# Altium PCB Main.PcbDoc (part 1 of 2)
Units mil, origin at the board's own origin, x right, y up, seen from the top; angles counter-clockwise.
Board outline 4133.86 x 4133.86 mil, 2 copper layers (Top Layer, Bottom Layer), stack 55.118 mil thick; 98 components, 143 nets, 449 pads, 452 vias.
Unrouted connection lines stored in the file: 10.
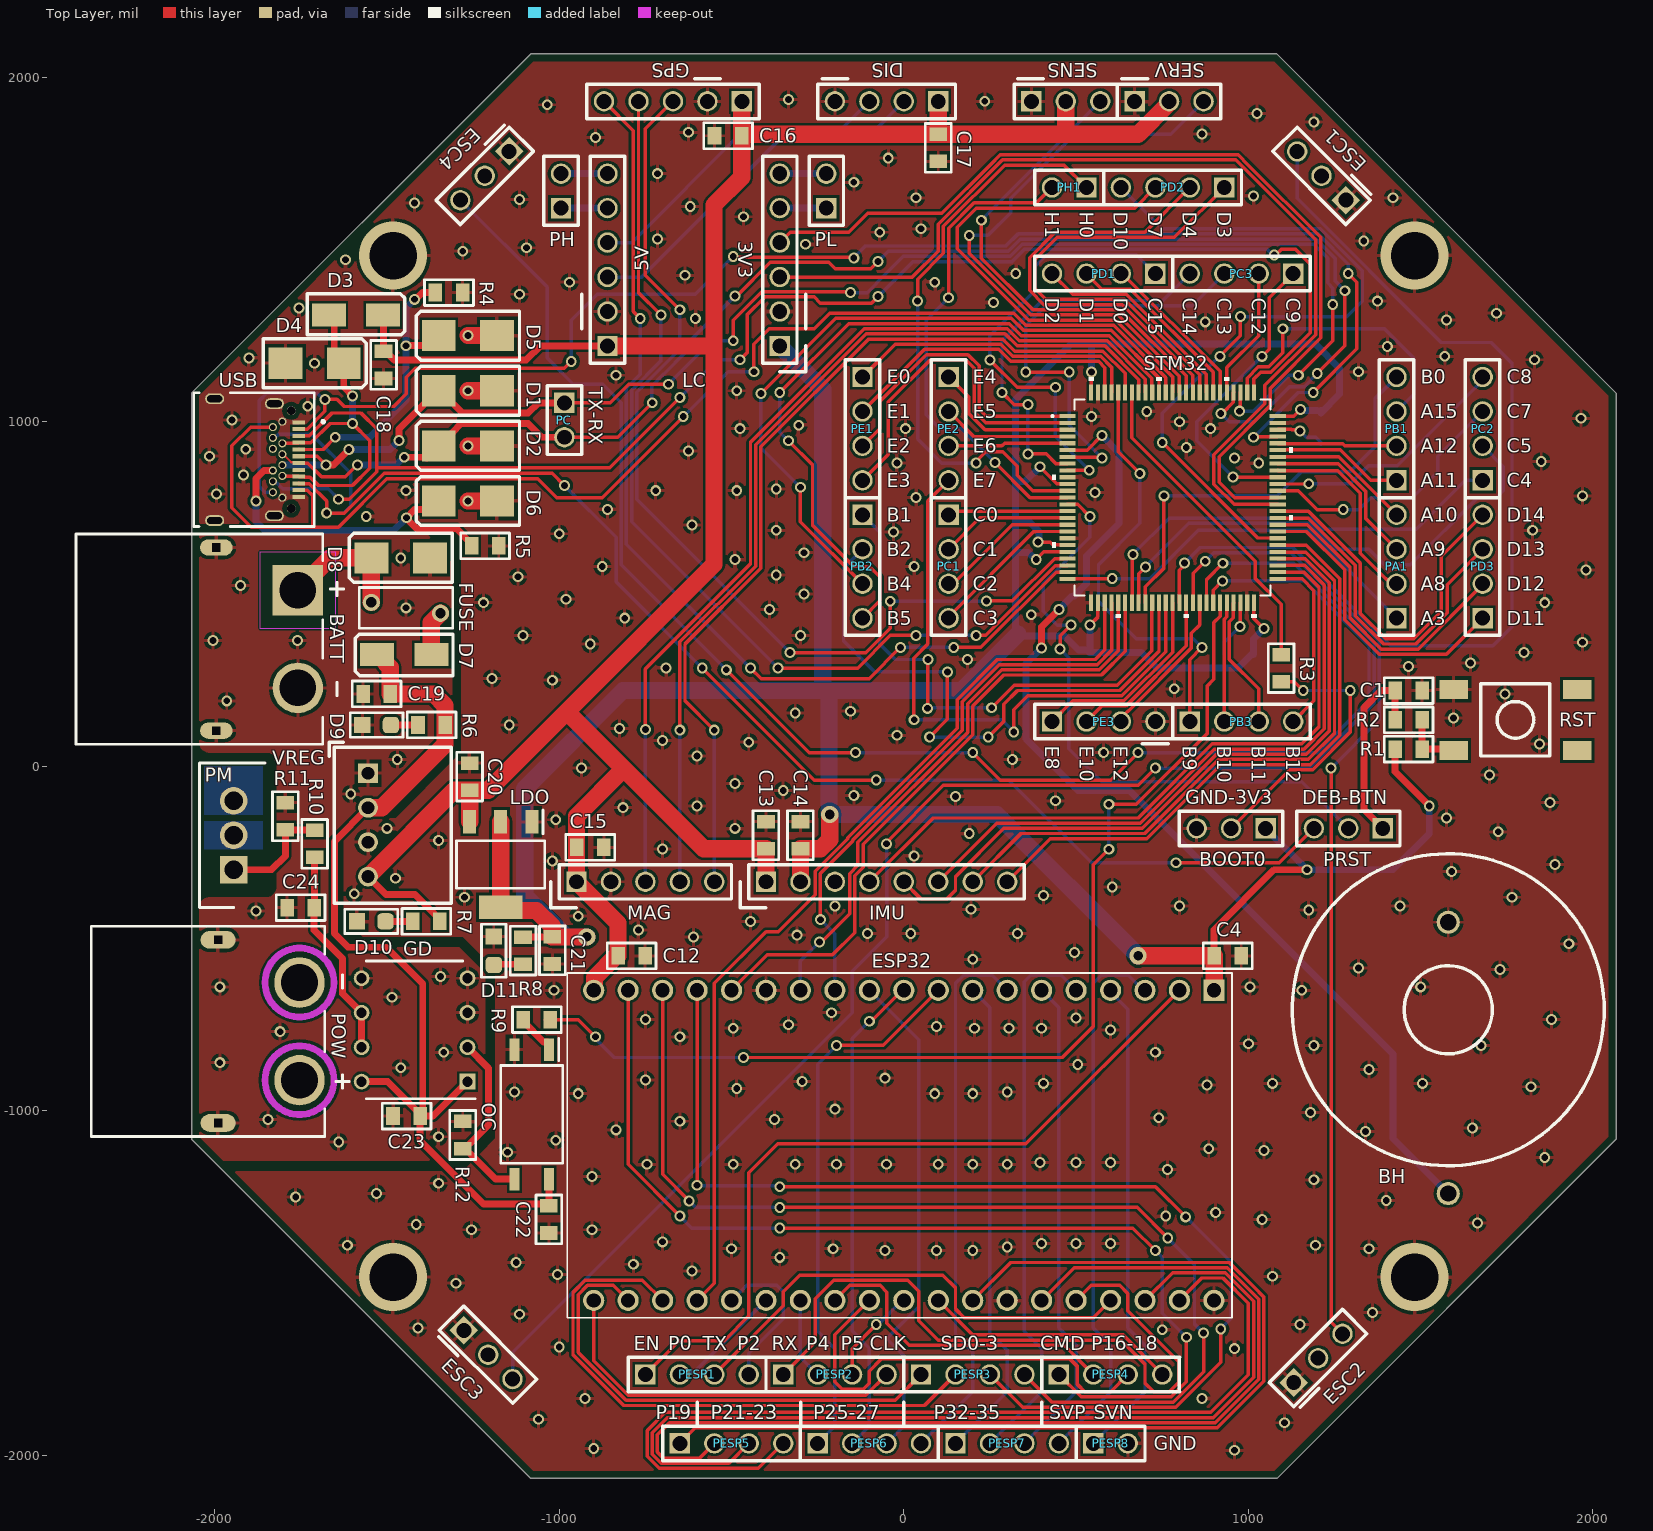
[diagram p0: Top Layer view]
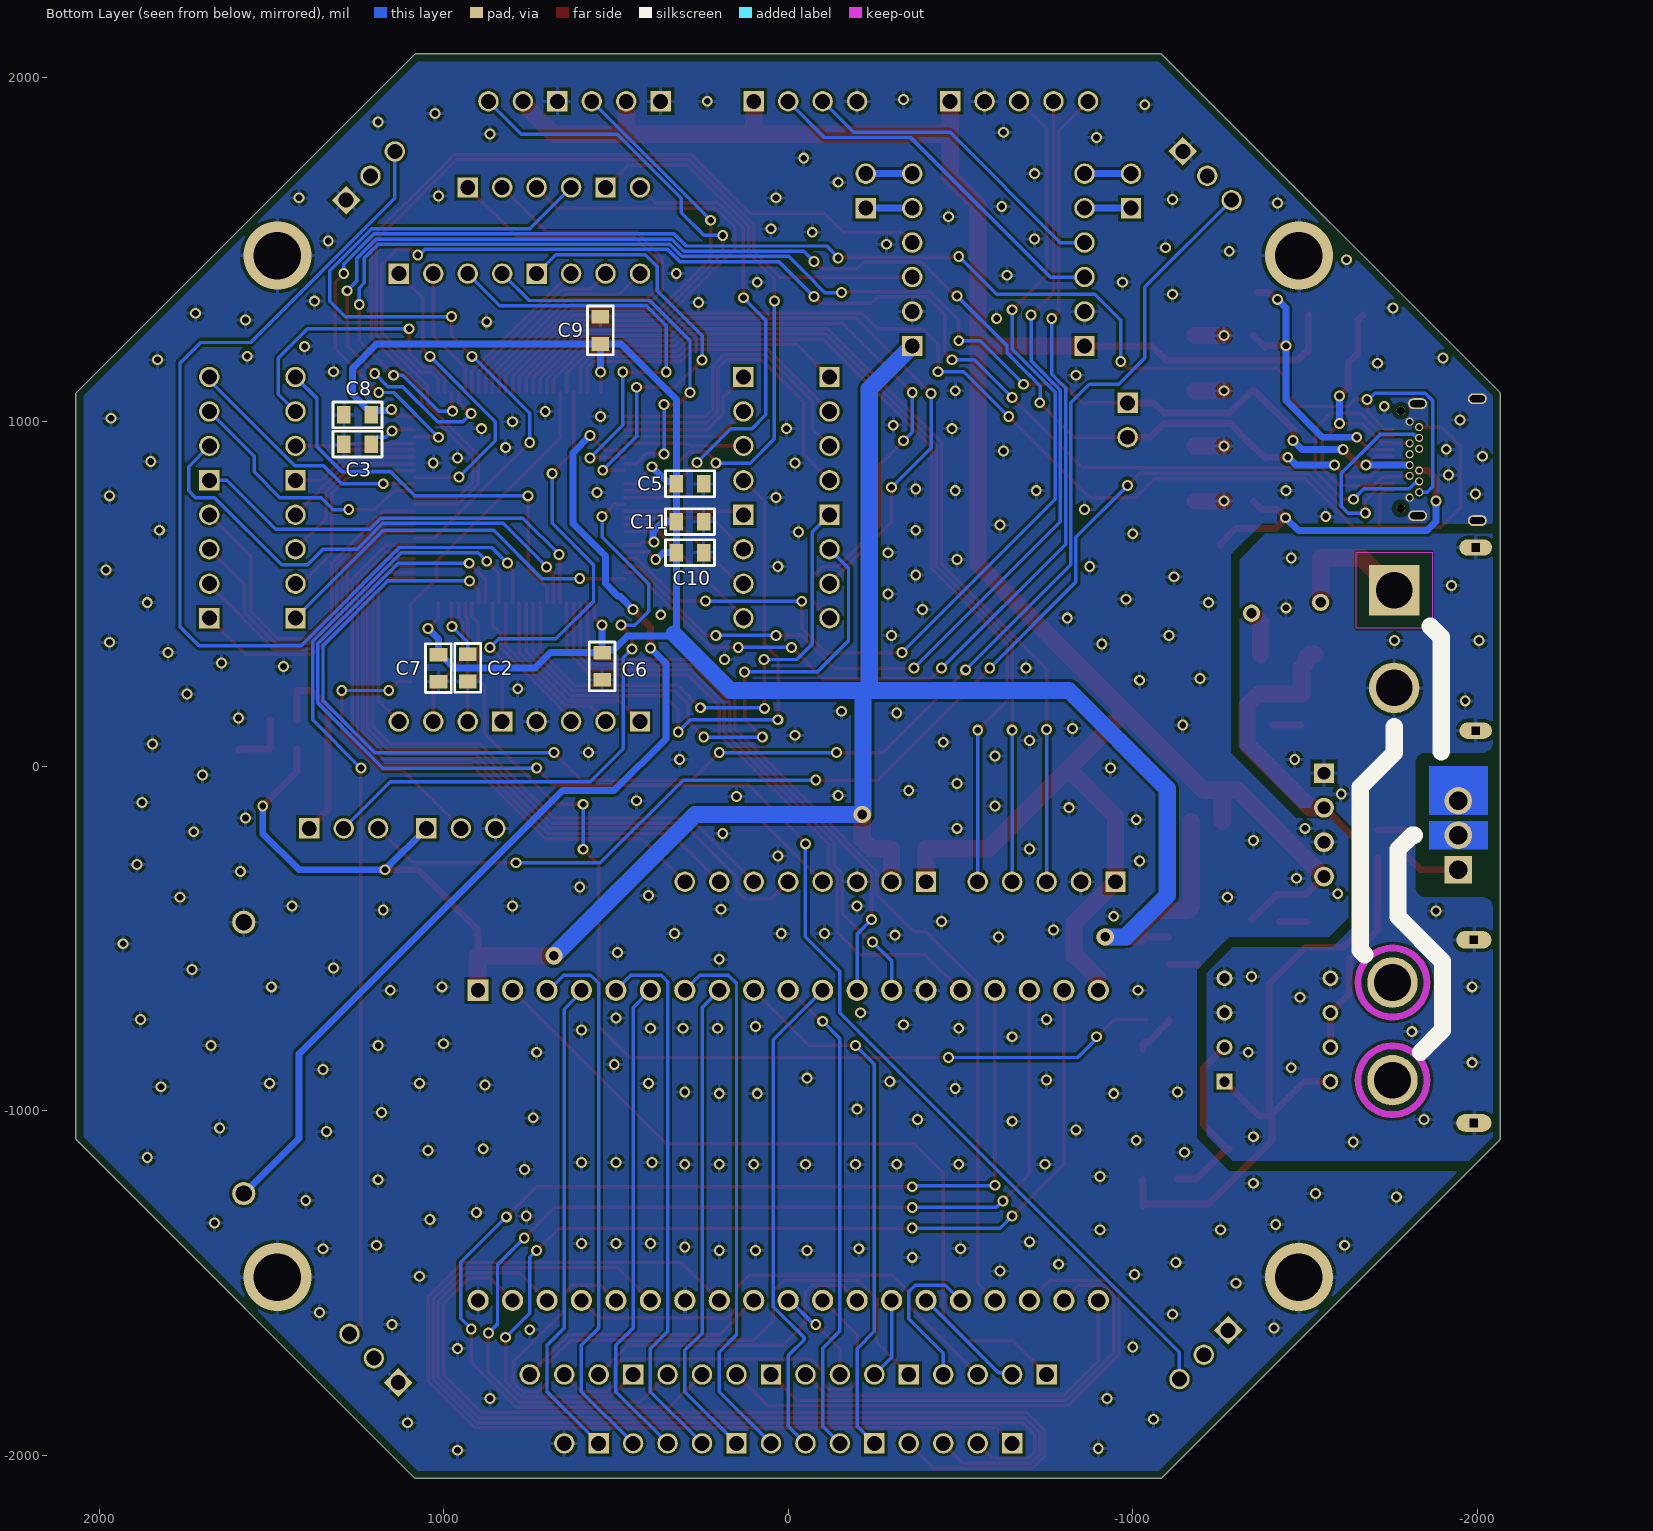
[diagram p1: Bottom Layer view, seen from below]

## Layer stack, top to bottom
Top Solder: solder mask 3.937, Solder Resist, Dk 3.5
Top Layer: signal copper 11.811
Dielectric 1: dielectric 31.4961, FR-4, Dk 4.8
Bottom Layer: signal copper 11.811
Bottom Solder: solder mask 3.937, Solder Resist, Dk 3.5

## Board outline
-1082.68,-2066.54 -2066.93,-1082.28 -2066.93,1083.07 -1082.68,2067.32 1082.68,2067.32 2066.93,1083.07 2066.93,-1082.28 1082.68,-2066.54

## Design rules (kind name [scope] priority, off if disabled: settings)
Clearance Clearance_Diff_STM32 [HasFootprint('LQFP144-20x20mm')] p1: gap=7.87 ignorepadtopadclearanceinfootprint=FALSE except(5: Arc-Arc Arc-Track Track-Track SMDPad-SMDPad SMDPad-THPad THPad-THPad Fill-Fill Fill-Poly Fill-Region Poly-Poly Poly-Region Region-Region; 5.91: Arc-Text Track-Text SMDPad-Text THPad-Text Via-Text Fill-Text Poly-Text Region-Text Text-Text Text-Hole; 7.48: Arc-SMDPad Track-SMDPad; 10: Arc-Via Track-Via SMDPad-Via THPad-Via Via-Fill Via-Poly Via-Region; 12.99: Arc-Hole Track-Hole SMDPad-Hole THPad-Hole Fill-Hole Poly-Hole Region-Hole; 19.68: Via-Via Via-Hole)
Clearance Clearance_Diff_USBC [HasFootprint('USB4056-03-A_REVA2')] p2: gap=7.87 ignorepadtopadclearanceinfootprint=FALSE except(5: Arc-Arc Arc-Track Track-Track SMDPad-SMDPad SMDPad-THPad THPad-THPad Fill-Fill Fill-Poly Fill-Region Poly-Poly Poly-Region Region-Region; 5.91: Arc-Text Track-Text SMDPad-Text THPad-Text Via-Text Fill-Text Poly-Text Region-Text Text-Text Text-Hole; 7.48: Arc-SMDPad Track-SMDPad; 10: Arc-Via Track-Via SMDPad-Via THPad-Via Via-Fill Via-Poly Via-Region; 11.8: THPad-Hole; 12.99: Arc-Hole Track-Hole SMDPad-Hole Fill-Hole Poly-Hole Region-Hole; 19.68: Via-Via Via-Hole)
Clearance Clearance_Diff [All] p3: gap=7.87 ignorepadtopadclearanceinfootprint=FALSE except(5: Arc-Arc Arc-Track Track-Track SMDPad-SMDPad SMDPad-THPad THPad-THPad Fill-Fill Fill-Poly Fill-Region Poly-Poly Poly-Region Region-Region; 5.91: Arc-Text Track-Text SMDPad-Text THPad-Text Via-Text Fill-Text Poly-Text Region-Text Text-Text Text-Hole; 10: Arc-Via Track-Via SMDPad-Via THPad-Via Via-Fill Via-Poly Via-Region; 12.99: Arc-Hole Track-Hole SMDPad-Hole THPad-Hole Fill-Hole Poly-Hole Region-Hole; 19.68: Via-Via Via-Hole)
Clearance Clearance_Same_STM32 [HasFootprint('LQFP144-20x20mm')] p4: gap=7.87 ignorepadtopadclearanceinfootprint=FALSE except(5: Arc-Arc Arc-Track Track-Track SMDPad-SMDPad SMDPad-THPad THPad-THPad Fill-Fill Fill-Poly Fill-Region Poly-Poly Poly-Region Region-Region; 5.91: Arc-Text Track-Text SMDPad-Text THPad-Text Via-Text Fill-Text Poly-Text Region-Text Text-Text Text-Hole; 7.48: Arc-SMDPad Track-SMDPad; 10: Arc-Via Track-Via SMDPad-Via THPad-Via Via-Via Via-Fill Via-Poly Via-Region; 12.99: Arc-Hole Track-Hole SMDPad-Hole THPad-Hole Fill-Hole Poly-Hole Region-Hole; 19.68: Via-Hole)
Clearance Clearance_Same_USBC [HasFootprint('USB4056-03-A_REVA2')] p5: gap=7.87 ignorepadtopadclearanceinfootprint=FALSE except(5: Arc-Arc Arc-Track Track-Track SMDPad-SMDPad SMDPad-THPad THPad-THPad Fill-Fill Fill-Poly Fill-Region Poly-Poly Poly-Region Region-Region; 5.91: Arc-Text Track-Text SMDPad-Text THPad-Text Via-Text Fill-Text Poly-Text Region-Text Text-Text Text-Hole; 7.48: Arc-SMDPad Track-SMDPad; 10: Arc-Via Track-Via SMDPad-Via THPad-Via Via-Via Via-Fill Via-Poly Via-Region; 12.99: Arc-Hole Track-Hole SMDPad-Hole THPad-Hole Fill-Hole Poly-Hole Region-Hole; 19.68: Via-Hole)
Clearance Clearance_Same [All] p6: gap=7.87 ignorepadtopadclearanceinfootprint=FALSE except(5: Arc-Arc Arc-Track Track-Track SMDPad-SMDPad SMDPad-THPad THPad-THPad Fill-Fill Fill-Poly Fill-Region Poly-Poly Poly-Region Region-Region; 5.91: Arc-Text Track-Text SMDPad-Text THPad-Text Via-Text Fill-Text Poly-Text Region-Text Text-Text Text-Hole; 10: Arc-Via Track-Via SMDPad-Via THPad-Via Via-Via Via-Fill Via-Poly Via-Region; 12.99: Arc-Hole Track-Hole SMDPad-Hole THPad-Hole Fill-Hole Poly-Hole Region-Hole; 19.68: Via-Hole)
ComponentClearance ComponentClearance_Pin_array [(HasFootprint('FP_CONN2_TUSKE_254MM') OR HasFootprint('FP_CONN3_TUSKE_254MM') OR HasFootprint('FP_CONN4_TUSKE_254MM') OR HasFootprint('FP_CONN5_TUSKE_254MM')) vs (HasFootprint('FP_CONN2_TUSKE_254MM') OR HasFootprint('FP_CONN3_TUSKE_254MM') OR HasFootprint('FP_CONN4_TUSKE_254MM') OR HasFootprint('FP_CONN5_TUSKE_254MM'))] p1: gap=0 collisioncheckmode=3 verticalgap=0 showdistances=FALSE
ComponentClearance [All] p2: gap=10 collisioncheckmode=3 verticalgap=10 showdistances=FALSE
HoleSize [All] p1: absolutevalues=TRUE maxlimit=250 minlimit=7.87 maxpercent=80.000 minpercent=20.000
HoleToHoleClearance HoleToHoleClearance_USBC [HasFootprint('USB4056-03-A_REVA2')] p1: gap=15.75 allowstackedmicrovias=TRUE
HoleToHoleClearance [All] p2: gap=19.68 allowstackedmicrovias=TRUE
MinimumSolderMaskSliver MinimumSolderMaskSliver_STM32 [HasFootprint('LQFP100-14x14mm')] p1: minsoldermaskwidth=7.68
MinimumSolderMaskSliver MinimumSolderMaskSliver_USBC [HasFootprint('USB4056-03-A_REVA2')] p2: minsoldermaskwidth=0
MinimumSolderMaskSliver [All] p3: minsoldermaskwidth=7.87
PolygonConnect PolygonConnect_STM32 [HasFootprint('LQFP144-20x20mm')] p1: connectstyle=Direct reliefconductorwidth=10 reliefentries=4 polygonreliefangle="90 Angle" airgapwidth=10
PolygonConnect PolygonConnect_1 [HasFootprint('USB4056-03-A_REVA2')] p2: connectstyle=Direct reliefconductorwidth=10 reliefentries=4 polygonreliefangle="90 Angle" airgapwidth=10
PolygonConnect [All] p3: connectstyle=Relief reliefconductorwidth=10 reliefentries=4 polygonreliefangle="90 Angle" airgapwidth=10
RoutingVias [All] p1: holewidth=19.68 width=31.5 viastyle="Through Hole" minholewidth=5.91 minwidth=15.75 maxholewidth=248.03 maxwidth=393.7
SilkToSilkClearance [All] p1: silktosilkclearance=5.91
SilkToSolderMaskClearance [IsPad] p1: minsilkscreentomaskgap=5.91 clearancetoexposedcopper=TRUE
SolderMaskExpansion [All] p1: expansion=4 istentingtop=FALSE
Width [All] p1: maxlimit=100 minlimit=5 preferedwidth=20 minimp=50.000000 maximp=50.000000 favimp=50.000000
24 further rules are at their usual default settings.

## Classes and differential pairs
component class PowerAndSafety: BATT C19 C20 C21 C22 C23 C24 D7 D8 D9 D10 D11 FUSE GD LDO OC PM POW R6 R7 R8 R9 R11 R12 S VREG
component class STM_ESP: BH C1 C2 C3 C4 C5 C6 C7 C8 C9 C10 C11 C12 ESP32 PRST R1 R2 RST STm32 STM32
component class Sensors: C13 C14 C15 C16 C17 DIS GPS IMU LC MAG PH PL
component class Connectors: BOOT0 C18 D1 D2 D3 D4 D5 D6 ESC1 ESC2 ESC3 ESC4 PA1 PB1 PB2 PB3 PC PC1 PC2 PC3 PD1 PD2 PD3 PE1 PE2 PE3 PESP1 PESP2 PESP3 PESP4 PESP5 PESP6 PESP7 PESP8 PH1 R3 R4 R5 SENS SERV USB

## Components (designator, comment, footprint, x,y, rotation, side; value= is the part's Value field where it differs from the comment)
BATT "XT60PW-M" AMASS_XT60PW-M -1995,369.25 r90 top locked
BH "Battery Holder" ONLAB_ELEMTARTO 1580,-706.54 r180 top locked
BOOT0 "Connector" FP_CONN3_TUSKE_254MM 1050,-180 r90 top
C1 "2.2uF" FP_0805_CAP_085 1465,220 r180 top
C2 "2.2uF" FP_0805_CAP_085 930,285.63 r90 bottom
C3 "2.2uF" FP_0805_CAP_085 1250,935 r180 bottom
C4 "100nF" FP_0805_CAP_085 940,-550 r180 top
C5 "100nF" FP_0805_CAP_085 285,820 r180 bottom
C6 "100nF" FP_0805_CAP_085 540,290 r270 bottom
C7 "100nF" FP_0805_CAP_085 1015,285 r270 bottom
C8 "100nF" FP_0805_CAP_085 1250,1020 r0 bottom
C9 "100nF" FP_0805_CAP_085 545,1265 r90 bottom
C10 "100nF" FP_0805_CAP_085 285,620 r180 bottom
C11 "100nF" FP_0805_CAP_085 285,710 r180 bottom
C12 "100nF" FP_0805_CAP_085 -790,-550 r180 top
C13 "100nF" FP_0805_CAP_085 -400,-200 r270 top
C14 "100nF" FP_0805_CAP_085 -300,-200 r270 top
C15 "100nF" FP_0805_CAP_085 -910,-235 r180 top
C16 "100nF" FP_0805_CAP_085 -510,1830 r180 top
C17 "100nF" FP_0805_CAP_085 100,1795 r90 top
C18 "100nF" FP_0805_CAP_085 -1510,1165 r90 top
C19 "100nF" FP_0805_CAP_085 -1530,210 r0 top
C20 "1uF" FP_0805_CAP_085 -1260,-30 r270 top
C21 "1uF" FP_0805_CAP_085 -1020,-534.37 r90 top
C22 "100nF" FP_0805_CAP_085 -1030,-1315 r270 top
C23 "100nF" FP_0805_CAP_085 -1443.11,-1015 r180 top
C24 "1nF" FP_0805_CAP_085 -1750.63,-410 r0 top
D1 "TVS" FP_SMB -1265,1090 r180 top
D2 "TVS" FP_SMB -1265,930 r180 top
D3 "SCHOTTKY" FP_SMA -1590,1310 r0 top
D4 "TVS" FP_SMB -1710,1170 r0 top
D5 "TVS" FP_SMB -1265,1250 r180 top
D6 "TVS" FP_SMB -1265,770 r180 top
D7 "SCHOTTKY" FP_SMA -1450,325 r180 top
D8 "TVS" FP_SMB -1460,605 r180 top
D9 "BLUE LED" LED_SMD_0805_BLUE -1530,120 r180 top
D10 "GREEN LED" LED_SMD_0805_GREEN -1545.63,-450 r180 top
D11 "RED LED" LED_SMD_0805_RED -1190,-535 r90 top
DIS "Távolságérzékelő" FP_CONN4_TUSKE_254MM 100,1930 r90 top locked
ESC1 "Connector" FP_CONN3_TUSKE_254MM 1283.07,1643.07 r45 top locked
ESC2 "Connector" FP_CONN3_TUSKE_254MM 1131.65,-1788.35 r315 top locked
ESC3 "Connector" FP_CONN3_TUSKE_254MM -1276.93,-1636.93 r225 top locked
ESC4 "Connector" FP_CONN3_TUSKE_254MM -1145.51,1784.49 r135 top locked
ESP32 "NodeMCU ESP-32S" ESP32_NODEMCU-32S 0,-1100 r270 top locked
FUSE "Fuse" "ECE BU110 PolyFuse" -1445,460 r0 top
GD "TC4431VPA" DIP781W56P254L950H533Q8N -1420,-765 r180 top locked
GPS "GPS" FP_CONN5_TUSKE_254MM -470,1930 r90 top locked
IMU "IMU + Barométer" GY-91 -400,-335 r0 top locked
LC "Level converter (4 ch)" "Level converter (4 ch)" -360,1720 r180 top locked
LDO "TLV1117LV33DCYR" SOT230P700X180-4N -1170,-285 r270 top locked
MAG "Iránytű, magnetométer" GY-271 -950,-335 r0 top locked
OC "Optocoupler" SOP254P1016X400-4N -1080,-1010 r270 top
PA1 "Connector" FP_CONN4_TUSKE_254MM 1430,430 r0 top locked
PB1 "Connector" FP_CONN4_TUSKE_254MM 1430,830 r0 top locked
PB2 "Connector" FP_CONN4_TUSKE_254MM -120,730 r180 top locked
PB3 "Connector" FP_CONN4_TUSKE_254MM 830,130 r270 top locked
PC "Connector" FP_CONN2_TUSKE_254MM -985,1055 r180 top
PC1 "Connector" FP_CONN4_TUSKE_254MM 130,730 r180 top locked
PC2 "Connector" FP_CONN4_TUSKE_254MM 1680,830 r0 top locked
PC3 "Connector" FP_CONN4_TUSKE_254MM 1130,1430 r90 top locked
PD1 "Connector" FP_CONN4_TUSKE_254MM 730,1430 r90 top locked
PD2 "Connector" FP_CONN4_TUSKE_254MM 930,1680 r90 top locked
PD3 "Connector" FP_CONN4_TUSKE_254MM 1680,430 r0 top locked
PE1 "Connector" FP_CONN4_TUSKE_254MM -120,1130 r180 top locked
PE2 "Connector" FP_CONN4_TUSKE_254MM 130,1130 r180 top locked
PE3 "Connector" FP_CONN4_TUSKE_254MM 430,130 r270 top locked
PESP1 "Connector" FP_CONN4_TUSKE_254MM -750,-1765 r270 top locked
PESP2 "Connector" FP_CONN4_TUSKE_254MM -350,-1765 r270 top locked
PESP3 "Connector" FP_CONN4_TUSKE_254MM 50,-1765 r270 top locked
PESP4 "Connector" FP_CONN4_TUSKE_254MM 450,-1765 r270 top locked
PESP5 "Connector" FP_CONN4_TUSKE_254MM -650,-1965 r270 top locked
PESP6 "Connector" FP_CONN4_TUSKE_254MM -250,-1965 r270 top locked
PESP7 "Connector" FP_CONN4_TUSKE_254MM 150,-1965 r270 top locked
PESP8 "Connector" FP_CONN2_TUSKE_254MM 550,-1965 r270 top locked
PH "Connector" FP_CONN2_TUSKE_254MM -995,1620 r0 top
PH1 "Connector" FP_CONN2_TUSKE_254MM 530,1680 r90 top locked
PL "Connector" FP_CONN2_TUSKE_254MM -225,1620 r0 top
PM "IXTP120P065T" "TO254P483X1028X2284-3P - extended" -1945,-300 r90 top locked
POW "XT60PW-F" AMASS_XT60PW-F -1753.78,-769.25 r270 top locked
PRST "Connector" FP_CONN3_TUSKE_254MM 1390,-180 r90 top
R1 "10K" FP_0805_RES 1465,50 r180 top
R2 "4K70" FP_0805_RES 1465,135 r0 top
R3 "10K" FP_0805_RES 1095,285 r90 top
R4 "5.1K" FP_0805_RES -1320,1375 r180 top
R5 "5.1K" FP_0805_RES -1215,640 r180 top
R6 "1K" FP_0805_RES -1370.63,120 r0 top
R7 "330R" FP_0805_RES -1385.63,-450 r0 top
R8 "150R" FP_0805_RES -1105,-535 r90 top
R9 "200R" FP_0805_RES -1065,-735 r0 top
R10 "130R" FP_0805_RES -1710,-225 r90 top
R11 "10K" FP_0805_RES -1795,-145 r270 top
R12 "4K70" FP_0805_RES -1280,-1070 r270 top
RST "Button" FP_BTN_SMD 1775,135 r90 top
SENS "Connector" FP_CONN3_TUSKE_254MM 370,1930 r270 top locked
SERV "Connector" FP_CONN3_TUSKE_254MM 670,1930 r270 top locked
STM32 "STM32F722VET6" LQFP100-14x14mm 780,780 r0 top locked
USB "USB4056-03-A" USB4056-03-A_REVA2 -2000,890 r270 top locked
VREG "TMU_3-1211" TMU31211 -1555,-20 r270 top locked

## Footprints (in the part's own frame and the unit in brackets; to place one, negate y for a bottom-side part, rotate by r counter-clockwise, add the part's x,y. Pads: shape width x height; smd on the part's side, far side on the other; paste and mask are expansions set on the pad)
AMASS_XT60PW-F [mm]
  round 3.716 hole 2.7: N(-3.6,0) P(3.6,0)
  oval 1.3x2.6 hole 0.6 square: S1(-6.75,-6) S2(6.75,-6)
  silkscreen extent -7.75,-15.35 7.75,3.68, body extent -7.75,-15.35 7.75,1.85, height 8.4
AMASS_XT60PW-M [mm]
  round 3.716 hole 2.7: N(-3.6,-6)
  rect 3.716x3.716 / inner round 3.716 / far side rect 3.716x3.716 hole 2.7: P(3.6,-6)
  oval 1.2x2.4 hole 0.6 square: S1(6.75,0) S2(-6.75,0)
  silkscreen extent -7.75,-9.39 7.75,10.35, body extent -7.75,-7.85 7.75,10.35, height 8.4
DIP781W56P254L950H533Q8N [mm]
  rect 1.159x1.159 / inner round 1.159 / far side rect 1.159x1.159 hole 0.759: 1(-3.905,3.81)
  round 1.159 hole 0.759: 2(-3.905,1.27) 3(-3.905,-1.27) 4(-3.905,-3.81) 5(3.905,-3.81) 6(3.905,-1.27) 7(3.905,1.27) 8(3.905,3.81)
  silkscreen extent -4.48,-5.08 3.56,5.08, body extent -4.05,-4.75 4.05,4.75, height 5.33
"ECE BU110 PolyFuse" [mm]
  round 1.27 hole 0.762: 1(-2.55,0.4) 2(2.55,-0.4)
  silkscreen extent -3.45,-1.5 3.45,1.5, body extent -5.71,-1.52 5.71,1.52, height 18.86
ESP32_NODEMCU-32S [mm]
  rect 1.56x1.56 hole 1.04: 1(-11.43,22.86)
  round 1.56 hole 1.04: 2(-11.43,20.32) 3(-11.43,17.78) 4(-11.43,15.24) 5(-11.43,12.7) 6(-11.43,10.16) 7(-11.43,7.62) 8(-11.43,5.08) 9(-11.43,2.54) 10(-11.43,0) 11(-11.43,-2.54) 12(-11.43,-5.08) 13(-11.43,-7.62) 14(-11.43,-10.16) 15(-11.43,-12.7) 16(-11.43,-15.24) 17(-11.43,-17.78) 18(-11.43,-20.32) 19(-11.43,-22.86) 20(11.43,22.86) 21(11.43,20.32) 22(11.43,17.78) 23(11.43,15.24) 24(11.43,12.7) 25(11.43,10.16) 26(11.43,7.62) 27(11.43,5.08) 28(11.43,2.54) 29(11.43,0) 30(11.43,-2.54) 31(11.43,-5.08) 32(11.43,-7.62) 33(11.43,-10.16) 34(11.43,-12.7) 35(11.43,-15.24) 36(11.43,-17.78) 37(11.43,-20.32) 38(11.43,-22.86)
  silkscreen extent -12.7,-24.8 12.7,24.2, body extent -12.73,-24.83 12.67,24.22, height 14.81
FP_0805_CAP_085 [mm] "0805 kapacitás YAGEO 0.85mm magas"
  rect 1x1.3 smd: 1(-1,0) 2(1,0)
  silkscreen extent -1.8,-0.95 1.8,0.95, body extent -1,-0.64 1.03,0.64, height 0.85
FP_0805_RES [mm] "0805 ellenállás"
  rect 1x1.3 smd: 1(-1,0) 2(1,0)
  silkscreen extent -1.8,-0.95 1.8,0.95, body extent -1,-0.62 1,0.63, height 0.62
FP_BTN_SMD [mm] "SMD Push Button 6x6mm"
  rect 1.4x2.1 smd: 1(2.25,4.55) 2(2.25,-4.55) 3(-2.25,4.55) 4(-2.25,-4.55)
  silkscreen extent -2.67,-2.54 2.67,2.54, body extent -3,-5 3,5, height 5.1
FP_CONN2_TUSKE_254MM [mm] "2×1 tüskesor"
  rect 1.5x1.5 hole 1.1: 1(0,0)
  round 1.5 hole 1.1: 2(0,2.54)
  silkscreen extent -1.27,-1.27 1.27,3.81, body extent -1.27,-1.27 1.27,3.81, height 8.54
FP_CONN3_TUSKE_254MM [mm] "3×1 tüskesor"
  rect 1.5x1.5 hole 1.1: 1(0,0)
  round 1.5 hole 1.1: 2(0,2.54) 3(0,5.08)
  silkscreen extent -1.27,-1.27 1.27,6.35, body extent -1.27,-1.27 1.27,6.35, height 8.54
FP_CONN4_TUSKE_254MM [mm] "4×1 tüskesor"
  rect 1.5x1.5 hole 1.1: 1(0,0)
  round 1.5 hole 1.1: 2(0,2.54) 3(0,5.08) 4(0,7.62)
  silkscreen extent -1.27,-1.27 1.27,8.9, body extent -1.27,-1.27 1.27,8.89, height 8.54
FP_CONN5_TUSKE_254MM [mm]
  rect 1.5x1.5 hole 1.1: 1(0,0)
  round 1.5 hole 1.1: 2(0,2.54) 3(0,5.08) 4(0,7.62) 5(0,10.16)
  silkscreen extent -1.27,-1.27 1.27,11.43, body extent -1.27,-1.27 1.27,11.43, height 8.54
FP_SMA [mm] "SMA footprint"
  rect 2.5x1.7 smd: A(-2,0) K(2,0)
  silkscreen extent -3.6,-1.48 3.6,1.58, body extent -2.8,-1.47 2.8,1.48, height 2.7
FP_SMB [mm] "DO214-AA tok (SMB)"
  rect 2.5x2.3 smd: A(-2.15,0) K(2.15,0)
  silkscreen extent -3.8,-1.8 3.8,1.8, body extent -2.7,-1.8 2.7,1.8, height 2.32
GY-91 [mm]
  rect 1.5x1.5 hole 1.1: 1(0,0)
  round 1.5 hole 1.1: 2(2.54,0) 3(5.08,0) 4(7.62,0) 5(10.16,0) 6(12.7,0) 7(15.24,0) 8(17.78,0)
  silkscreen extent -1.91,-1.91 19.05,1.27, body extent -1.27,-1.27 19.05,12.7, height 13.59
GY-271 [mm]
  rect 1.5x1.5 hole 1.1: 1(0,0)
  round 1.5 hole 1.1: 2(2.54,0) 3(5.08,0) 4(7.62,0) 5(10.16,0)
  silkscreen extent -1.91,-1.91 11.43,1.27, body extent -1.65,-1.27 11.81,13.46, height 13.59
LED_SMD_0805_BLUE [mm] "0805 méretű kék LED"
  rrect50% 1.2x1.2 smd: A(-1.05,0)
  rect 1.2x1.2 smd: K(1.05,0)
  silkscreen extent -1.95,-0.9 1.95,0.9, body extent -1.01,-0.62 1.01,0.62, height 1.1
LED_SMD_0805_GREEN [mm] "0805 méretű zöld Foryard LED"
  rrect50% 1.2x1.2 smd: A(-1.05,0)
  rect 1.2x1.2 smd: K(1.05,0)
  silkscreen extent -1.95,-0.9 1.95,0.9, body extent -1.01,-0.63 1.01,0.62, height 1.1
LED_SMD_0805_RED [mm] "0805 méretű piros LED"
  rrect50% 1.2x1.2 smd: A(-1.05,0)
  rect 1.2x1.2 smd: K(1.05,0)
  silkscreen extent -1.95,-0.9 1.95,0.9, body extent -1.01,-0.62 1.01,0.62, height 1.1
"Level converter (4 ch)" [mm] "4 channel level converter 3.3 <-> 5 V"
  rect 1.5x1.5 hole 1.1: 1(0,12.7) 7(12.7,12.7)
  round 1.5 hole 1.1: 2(0,10.16) 3(0,7.62) 4(0,5.08) 5(0,2.54) 6(0,0) 8(12.7,10.16) 9(12.7,7.62) 10(12.7,5.08) 11(12.7,2.54) 12(12.7,0)
  silkscreen extent -1.91,-1.27 14.61,14.6, body extent -1.65,-1.65 14.35,14.35, height 5.59
LQFP100-14x14mm [mil]
  rect 47x12 smd paste+0 mask+0: 1(-305.12,236.22) 2(-305.12,216.54) 3(-305.12,196.85) 4(-305.12,177.17) 5(-305.12,157.48) 6(-305.12,137.8) 7(-305.12,118.11) 8(-305.12,98.43) 9(-305.12,78.74) 10(-305.12,59.06) 11(-305.12,39.37) 12(-305.12,19.69) 13(-305.12,0) 14(-305.12,-19.69) 15(-305.12,-39.37) 16(-305.12,-59.06) 17(-305.12,-78.74) 18(-305.12,-98.43) 19(-305.12,-118.11) 20(-305.12,-137.8) 21(-305.12,-157.48) 22(-305.12,-177.17) 23(-305.12,-196.85) 24(-305.12,-216.54) 25(-305.12,-236.22) 51(305.12,-236.22) 52(305.12,-216.54) 53(305.12,-196.85) 54(305.12,-177.17) 55(305.12,-157.48) 56(305.12,-137.8) 57(305.12,-118.11) 58(305.12,-98.43) 59(305.12,-78.74) 60(305.12,-59.06) 61(305.12,-39.37) 62(305.12,-19.69) 63(305.12,0) 64(305.12,19.68) 65(305.12,39.37) 66(305.12,59.06) 67(305.12,78.74) 68(305.12,98.43) 69(305.12,118.11) 70(305.12,137.8) 71(305.12,157.48) 72(305.12,177.17) 73(305.12,196.85) 74(305.12,216.54) 75(305.12,236.22)
  rect 12x47 smd paste+0 mask+0: 26(-236.22,-305.12) 27(-216.54,-305.12) 28(-196.85,-305.12) 29(-177.17,-305.12) 30(-157.48,-305.12) 31(-137.8,-305.12) 32(-118.11,-305.12) 33(-98.43,-305.12) 34(-78.74,-305.12) 35(-59.06,-305.12) 36(-39.37,-305.12) 37(-19.69,-305.12) 38(0,-305.12) 39(19.68,-305.12) 40(39.37,-305.12) 41(59.06,-305.12) 42(78.74,-305.12) 43(98.43,-305.12) 44(118.11,-305.12) 45(137.8,-305.12) 46(157.48,-305.12) 47(177.17,-305.12) 48(196.85,-305.12) 49(216.54,-305.12) 50(236.22,-305.12) 76(236.22,305.12) 77(216.54,305.12) 78(196.85,305.12) 79(177.17,305.12) 80(157.48,305.12) 81(137.8,305.12) 82(118.11,305.12) 83(98.43,305.12) 84(78.74,305.12) 85(59.06,305.12) 86(39.37,305.12) 87(19.68,305.12) 88(0,305.12) 89(-19.69,305.12) 90(-39.37,305.12) 91(-59.06,305.12) 92(-78.74,305.12) 93(-98.43,305.12) 94(-118.11,305.12) 95(-137.8,305.12) 96(-157.48,305.12) 97(-177.17,305.12) 98(-196.85,305.12) 99(-216.54,305.12) 100(-236.22,305.12)
  silkscreen extent -351,-349 349,349, body extent -315,-315 315,315, height 63
ONLAB_ELEMTARTO [mm]
  round 1.7 hole 1.2: +(0,13.55) -(0,-6.45)
  silkscreen extent -11.5,-11.5 11.5,11.5, body extent -11.45,-11.45 11.45,16.2, height 8.2
SOP254P1016X400-4N [mm]
  rect 1.65x0.75 smd: 1(-4.775,1.27) 2(-4.775,-1.27) 3(4.775,-1.27) 4(4.775,1.27)
  silkscreen extent -5.6,-2.29 3.6,2.29, body extent -5.08,-2.29 5.08,2.29, height 4
SOT230P700X180-4N [mm]
  rect 1.75x0.95 smd: 1(-3.15,2.3) 2(-3.15,0) 3(-3.15,-2.3)
  rect 1.75x3.2 smd: 4(3.15,0)
  silkscreen extent -4.03,-3.25 1.75,3.25, body extent -3.5,-3.25 3.5,3.25
TMU31211 [mm]
  rect 1.462x1.462 hole 0.94: 1(0,0)
  round 1.462 hole 0.94: 2(2.54,0) 3(5.08,0) 4(7.62,0)
  silkscreen extent -2.28,-2.86 9.6,6.12, body extent -1.9,-2.45 9.6,6.15, height 10.2
"TO254P483X1028X2284-3P - extended" [mm]
  round 2.04 hole 1.36: D(2.54,0) S(5.08,0)
  rect 2.04x2.04 hole 1.36: G(0,0)
  Bottom Layer region: 4.064,2.159 4.064,-2.159 7.62,-2.159 7.62,2.159
  Bottom Layer region: 1.524,2.159 1.524,-2.159 3.556,-2.159 3.556,2.159
  silkscreen extent -2.79,-2.32 7.87,2.51, body extent -2.6,-2.32 7.68,2.51, height 19.68
USB4056-03-A_REVA2 [mm]
  rect 0.3x0.9 smd: A1(-2.75,6.2) A2(-2.25,6.2) A3(-1.75,6.2) A4(-1.25,6.2) A5(-0.75,6.2) A6(-0.25,6.2) A7(0.25,6.2) A8(0.75,6.2) A9(1.25,6.2) A10(1.75,6.2) A11(2.25,6.2) A12(2.75,6.2)
  round 0.6 hole 0.4: B1(2.8,4.99) B2(2.4,4.29) B3(1.6,4.29) B4(1.2,4.99) B5(0.8,4.29) B6(0.4,4.99) B7(-0.4,4.99) B8(-0.8,4.29) B9(-1.2,4.99) B10(-1.6,4.29) B11(-2.4,4.29) B12(-2.8,4.99)
  oval 0.8x1.4 hole 0.5 slot 1.1 at 90 deg: MH1(-4.13,4.4) MH2(4.13,4.4) MH3(-4.49,0) MH4(4.49,0)
  round 0.65 hole 0.65 unplated: ""(-3.6,5.64) ""(3.6,5.64)
  silkscreen extent -4.92,-1.55 4.92,8.1, body extent -4.92,-2.53 4.92,7.34, height 3.26

## Part data
BATT: "Socket, DC supply, male, PIN: 2", Package=Package, Availability="Not in stock", Check_prices=https://www.snapeda.com/parts/XT60PW-M/AMASS/view-part/?ref=eda, MF=AMASS, MP=XT60PW-M, Price=None, SnapEDA_Link=https://www.snapeda.com/parts/XT60PW-M/AMASS/view-part/?ref=snap
BH: "ELEMTARTÓ 1x2032 BH2032-3P (T-T) NYÁK FEKVŐ /CR2032/"
BOOT0 ESC1 ESC2 ESC3 ESC4 PRST SENS SERV: library part Connector_3pin, "3pin connector"
C1 C2 C3 C4 C5 C6 C7 C8 C9 C10 C11 C12 C13 C14 C15 C16 C17 C18 C19 C20 C21 C22 C23 C24: library part CAP, "Capacitor"
D1 D2 D4 D5 D6: library part ZENER, "Zener Diode"
D3 D7: "Schottky diode"
D8: library part ZENER, "TVS Diode"
D9 D10 D11: library part LED, "Typical RED GaAs LED"
DIS: library part HC-SR04-4P, "Ultrahangos távolságérzékelő modul, 4P"
ESP32: "NodeMCU ESP32 Wireless & / Bluetooth Development Board"
GD: "Microchip TC4431VPA, MOSFET Power Driver 1.5A, 4.5  30 V, Inverting, 8-Pin PDIP", Manufacturer_Name=Microchip, Mouser Part Number=579-TC4431VPA, Datasheet Link=http://ww1.microchip.com/downloads/en/DeviceDoc/21424d.pdf, Geometry.Height=5.334mm, Manufacturer_Part_Number=TC4431VPA, Mouser Price/Stock=https://www.mouser.co.uk/ProductDetail/Microchip-Technology/TC4431VPA?qs=dJbzCyn%252BCFb0mSWY4MWPfw%3D%3D
GPS: library part NEO-7M-0-000, "Ublox GPS modul EEPROM-mal C / AeroQuad-hoz, antennával NEO-7M 7N APM2.5 repülésvezérléshez"
IMU: library part GY-91, "9DOF MPU9250 modul + BMP280, giroszkóp, gyorsulásmérő, iránytű, nyomásmérő, hőmérő, páratartalom mérő"
LC: "4 channel level converter 3.3 <-> 5 V"
LDO: "1-A, Positive Fixed Voltage, Low-Dropout Regulator", Manufacturer_Name="Texas Instruments", Mouser Part Number=595-TLV1117LV33DCYR, Datasheet Link=http://www.ti.com/lit/gpn/tlv1117lv, Geometry.Height=1.8mm, Manufacturer_Part_Number=TLV1117LV33DCYR, Mouser Price/Stock=https://www.mouser.co.uk/ProductDetail/Texas-Instruments/TLV1117LV33DCYR?qs=tEz3BkPb1rwzXMb8FiWhow%3D%3D
MAG: library part GY-271, "HMC5883L 3 tengelyes digitális iránytű (compass, magnetometer) I2C"
OC: Package=None, Availability=Unavailable, MP=VO615A-9X009T, Price=None
PA1 PB1 PB2 PB3 PC1 PC2 PC3 PD1 PD2 PD3 PE1 PE2 PE3 PESP1 PESP2 PESP3 PESP4 PESP5 PESP6 PESP7: library part Connector_4pin, "4pin Connector"
PC PESP8 PH PH1 PL: library part Connector_2pin, "2pin connector"
PM: "POWER MOSFET -120 Amps -65V 0.01 Rds", Manufacturer_Name=LITTELFUSE, Mouser Part Number=747-IXTP120P065T, Datasheet Link=https://m.littelfuse.com/~/media/electronics/datasheets/discrete_mosfets/littelfuse_discrete_mosfets_p-channel_ixt_120p065t_datasheet.pdf.pdf, Geometry.Height=4.83mm, Manufacturer_Part_Number=IXTP120P065T, Mouser Price/Stock=https://www.mouser.co.uk/ProductDetail/IXYS/IXTP120P065T?qs=cvHLLyFtoE09fNdm%2Fv8mrw%3D%3D
POW: "Socket DC Supply Connector Female", Package=Package, Availability="Not in stock", Check_prices=https://www.snapeda.com/parts/XT60PW-F/AMASS/view-part/?ref=eda, MF=AMASS, MP=XT60PW-F, Price=None, SnapEDA_Link=https://www.snapeda.com/parts/XT60PW-F/AMASS/view-part/?ref=snap
R1 R2 R3 R4 R5 R6 R7 R8 R9 R10 R11 R12: library part RES, "Resistor"
RST: library part "Button 4P", "Push button"
STM32: "No Description Available", Mfr_Name=STMicroelectronics, RefDes=RefDes, Type=Type
USB: "USB Connectors USB C 3.2 Rec, Horz, Hybrid PCB Top Mount, T+R", Manufacturer_Name="GCT (GLOBAL CONNECTOR TECHNOLOGY)", Mouser Part Number=640-USB4056-03-A, Datasheet Link=https://www.mouser.jp/datasheet/2/837/usb4056-2448808.pdf, Geometry.Height=3.56mm, Manufacturer_Part_Number=USB4056-03-A, Mouser Price/Stock=https://www.mouser.co.uk/ProductDetail/GCT/USB4056-03-A?qs=QNEnbhJQKvbZ7hZzgFEugA%3D%3D
VREG: "3 Watt DC/DC converter, industrial, +/-10% input, short circuit protection, unregulated, encapsulated, SIP-4", Manufacturer_Name="Traco Power", Manufacturer_Part_Number="TMU 3-1211", Mouser Part Number=495-TMU3-1211, Datasheet Link=https://tracopower.com/tmu3-datasheet/, Geometry.Height=10.7mm, Mouser Price/Stock=https://www.mouser.co.uk/ProductDetail/TRACO-Power/TMU-3-1211?qs=By6Nw2ByBD3GesUHA2ql3Q%3D%3D

## Via types
v1: diameter 31.5, hole 19.68, Top Layer to Bottom Layer, 445 vias
v2: diameter 196.85, hole 137.8, Top Layer to Bottom Layer, 4 vias
v3: diameter 50, hole 28, Top Layer to Bottom Layer, 3 vias

## Nets (pads, with @x,y where several pads share a name; then routed paths per layer and width w, separated by ;. In a path a pad name is that pad's centre, name@x,y a point inside that pad or via, vN(x,y) a via of type N, cw(c..) or ccw(c..) an arc to the next point about the centre after c; other vN are vias at no path point)
3.3V: BOOT0.1 C4.2 C5.1 C6.1 C7.1 C8.1 C9.1 C10.1 C11.1 C14.2 C21.2 ESP32.1 IMU.2 LC.1 LDO.2 LDO.4 R1.2 R8.2 STM32.11 STM32.20 STM32.21 STM32.27 STM32.50 STM32.75 STM32.100 | length 10883.8
  Top Layer w10: v1(384.2,600.01) 406.71,622.52 STM32.21@474.88,622.52 ; v1(389.48,650.67) 425.09,650.67 432.74,643.02 474.07,643.02 STM32.20@474.88,642.2 ; v1(394.99,869.27) 444.08,820.18 474.07,820.18 STM32.11@474.88,819.37 ; v1(540,410) 563.46,433.46 STM32.27@563.46,474.88 ; STM32.100@543.78,1085.12 544.39,1085.73 544.39,1143.64 v1(545,1144.25) ; STM32.50@1016.22,474.88 1016.22,428.78 v1(1045,400) ; STM32.75@1085.12,1016.22 1131.22,1016.22 1150.32,1035.32 v1(1151.24,1035.32)
  Top Layer w20: R8.2@-1104.37,-495 C21.2@-1020,-495 ; C4.2@900.63,-550 900.63,-474.37 1075,-300 v1(1170,-300) ; R1.2@1425.63,50 1425.63,-15.63 v1(1525,-115)
  Top Layer w50: LDO.2@-1170,-160.98 LDO.4@-1170,-409.02 -1160.55,-418.46 -1066.54,-418.46 -1020.59,-464.41 -1020.59,-494.41 C21.2@-1020,-495 v3(-920,-495) ; IMU.2@-300,-335 C14.2@-300,-239.37 -241.54,-239.37 -215,-212.83 v3(-215,-140) ; v3(680,-550) C4.2@900.63,-550 ESP32.1@900.63,-649.37
  Bottom Layer w10: C7.1@1009.09,324.37 C7.1@1015,324.37
  Bottom Layer w20: C5.1@324.37,823.06 324.37,832.75 324.37,1064.37 485.63,1225.63 C9.1@545,1225.63 ; C10.1@334.06,620 361.89,620 381.88,600.01 v1(384.2,600.01) ; v1(389.48,650.67) 391.68,652.87 391.68,661 392.17,661.48 392.17,680.88 363.05,710 C11.1@324.37,710 ; v1(394.99,869.27) 351.73,826.01 330.38,826.01 C5.1@324.37,820 C11.1@324.37,710 ; C6.1@540,334.09 v1(540,410) ; v1(545,1144.25) C9.1@545,1225.63 ; C7.1@1009.09,324.37 969.72,285 735,285 690,330 539.37,330 531.44,337.93 507.07,337.93 466.22,378.78 336.22,378.78 331.16,383.84 324.37,390.63 C10.1@324.37,620 C11.1@324.37,710 ; C7.1@1015,324.37 1015,370 v1(1045,400) ; BOOT0.1@1050,-180 v1(1170,-300) 1420,-300 1525,-195 v1(1525,-115) ; v1(1151.24,1035.32) 1153.44,1033.12 C8.1@1200.94,1033.12 ; C8.1@1210.63,1033.12 1210.63,1025.91 1265,1080.28 1265,1155 1194.37,1225.63 C9.1@545,1225.63
  Bottom Layer w50: v3(-920,-495) -980,-495 -1100,-375 -1100,-65 -815,220 -235,220 ; LC.1@-360,1220 -235,1095 -235,220 ; 331.16,383.84 167.32,220 -216.8,220 ; v3(680,-550) 270,-140 v3(-215,-140) -216.8,-138.2 -216.8,220 ; -235,220 -216.8,220
5V: C12.2 C13.2 C15.2 C16.1 C17.2 C18.2 C20.2 D3.K DIS.1 ESP32.19 GPS.1 IMU.1 LC.7 LDO.3 MAG.1 R7.2 SENS.2 SERV.2 VREG.4 | length 7301.7
  Top Layer w10: R7.2@-1346.26,-450 R7.2@-1346.26,-444.09
  Top Layer w20: VREG.4@-1555,-320 -1502.73,-372.27 -1418.08,-372.27 R7.2@-1346.26,-444.09 ; D3.K@-1511.26,1310 -1510,1308.74 C18.2@-1510,1204.37 -1504.09,1204.37 -1478.86,1179.13 -1095.87,1179.13 -1055,1220 LC.7@-860,1220
  Top Layer w50: VREG.4@-1553.55,-318.55 -1304.37,-69.37 C20.2@-1260,-69.37 ; LDO.3@-1260,-160.43 C20.2@-1260,-69.37 ; ESP32.19@-900,-650 -897.82,-647.82 -897.82,-613.72 -834.09,-550 C12.2@-829.37,-550 -829.37,-455.63 MAG.1@-950,-335 -949.69,-334.69 -949.69,-144.69 -812.5,-7.5 ; LC.7@-860,1220 -550.63,1220 ; GPS.1@-470,1930 -470.31,1929.69 -470.31,1830.31 C16.1@-470.63,1830 ; IMU.1@-400,-335 C13.2@-400,-239.37 -580.63,-239.37 -812.5,-7.5 ; C17.2@100,1834.37 DIS.1@100,1930 ; SENS.2@470,1930 470,1834.37 ; SERV.2@770,1930 768.27,1928.27 768.27,1922.72 679.92,1834.37 470,1834.37 ; C20.2@-1260,-69.37 -1206.03,-69.37 -978.33,158.33 ; -978.33,158.33 -550.63,586.03 -550.63,1220 ; -978.33,158.33 -812.5,-7.5 ; -550.63,1220 -550.63,1629.37 -470.63,1709.37 C16.1@-470.63,1830 ; C16.1@-470.63,1830 -465.91,1830 -461.54,1834.37 470,1834.37
12V: C19.2 C22.1 C23.1 D7.K GD.1 GD.8 OC.4 R6.2 VREG.2 | length 2822.4
  Top Layer w20: GD.8@-1573.74,-915 -1497.83,-915 -1403.74,-1009.09 C23.1@-1403.74,-1015 ; VREG.2@-1555,-120 -1652.64,-217.64 -1652.64,-484.95 -1612.58,-525 -1502.26,-525 -1396.03,-631.23 -1396.03,-1007.29 C23.1@-1403.74,-1015 ; C23.1@-1396.03,-1015 -1366.26,-1015 GD.1@-1266.26,-915 ; OC.4@-1030,-1197.99 C22.1@-1030,-1275.63 -1035,-1270.63 -1219.37,-1270.63 -1403.74,-1086.26 C23.1@-1403.74,-1015
  Top Layer w50: VREG.2@-1555,-120 -1515,-120 -1331.26,63.74 R6.2@-1331.26,120 -1331.26,176.26 -1365,210 C19.2@-1490.63,210 -1490.63,286.89 -1504.53,300.78 -1504.53,316.53 -1512.99,325 D7.K@-1528.74,325
BATT: BH.+ STM32.6 | length 3048.4
  Top Layer w10: STM32.6@474.88,917.8 532.8,917.8 v1(575,960)
  Top Layer w20: v1(400,343.03) 400,405 v1(450,455)
  Bottom Layer w20: v1(400,343.03) 355,298.03 355,80 505,-70 655,-70 1420,-835 1420,-1080 BH.+@1580,-1240 ; v1(450,455) 488.6,493.6 493.6,493.6 530,530 530,610 625,705 625,910 v1(575,960)
BGND: BATT.N BATT.S1 BATT.S2 C19.1 C23.2 C24.1 D8.A D9.K GD.3 GD.4 GD.5 POW.S1 POW.S2 R11.1 R12.1 VREG.1
  other v1: -1640,-1090 -1350,-1075 -1845,-1025 -1460,-875 -1985,-860 -1335,-830 -1810,-770 -1485,-670 -1985,-640 -1345,-610 -1880,-420 -1605,-80 -1470,20 -1965,190 -2005,365 -1760,365 -1445,460 -1925,525 -1460,605
CC1: D5.K R4.2 USB.A5 | length 856.1
  Top Layer w10: USB.A5@-1755.2,919.76 -1754.96,919.53 -1685.47,919.53 v1(-1650,955)
  Top Layer w20: v1(-1445,1220.75) -1388.86,1220.75 -1384.65,1216.54 -1384.65,1215 D5.K@-1349.65,1250 ; v1(-1419.72,1355.28) -1416.61,1355.28 -1396.89,1375 R4.2@-1359.37,1375
  Bottom Layer w20: v1(-1650,955) -1550.75,955 -1444.22,1061.53 -1444.22,1214.22 -1445,1215 -1445,1330 v1(-1419.72,1355.28)
CC2: D6.K R5.2 USB.B5 | length 987.2
  Top Layer w20: v1(-1880,770) -1880,835 -1856.5,858.5 USB.B5@-1831.1,858.5 ; v1@-1444.63,720.37 -1414.26,690 -1298.46,690 -1254.37,645.91 R5.2@-1254.37,640 ; v1(-1443.62,721.38) -1420,745 -1374.65,745 D6.K@-1349.65,770
  Bottom Layer w20: v1(-1880,770) -1880,710 -1854.25,684.25 -1480.75,684.25 v1(-1443.62,721.38)
GND: BH.- BOOT0.3 C1.1 C2.1 C3.1 C4.1 C5.2 C6.2 C7.2 C8.2 C9.2 C10.2 C11.2 C12.1 C13.1 C14.1 C15.1 C16.2 C17.1 C18.1 C20.1 C21.1 C22.2 D1.A D2.A D4.A D5.A D6.A D10.K D11.K DIS.4 ESC1.1 ESC2.1 ESC3.1 ESC4.1 ESP32.14 ESP32.20 ESP32.26 GPS.2 IMU.3 LC.2 LC.8 LDO.1 MAG.2 OC.2 PE3.4 PESP8.2 R4.1 R5.1 RST.1 SENS.1 SERV.1 STM32.10 STM32.19 STM32.26 STM32.49 STM32.74 STM32.99 USB.A1 USB.A12 USB.B1 USB.B12 USB.MH1 USB.MH2 USB.MH3 USB.MH4 VREG.3 | length 338.6
  Top Layer w50: v1(-1265,770) D6.A@-1180.35,770 ; v1(-1265,930) D2.A@-1180.35,930 ; v1(-1265,1090) D1.A@-1180.35,1090 ; v1(-1265,1250) D5.A@-1180.35,1250
  other v1: 960,-1985 -900,-1980 1105,-1905 -1060,-1895 -925,-1835 865,-1835 960,-1690 -1000,-1685 750,-1635 -1410,-1630 1150,-1620 -1115,-1590 1360,-1585 -1300,-1500 1070,-1480 -1005,-1475 -615,-1465 -785,-1445 -1125,-1440 -360,-1425 -55,-1405 95,-1405 200,-1405 -500,-1400 -205,-1400 1350,-1400 300,-1395 -1615,-1390 1195,-1390 400,-1385 500,-1385 600,-1385 -700,-1380 -1255,-1345 -905,-1345 -1415,-1330 1665,-1325 1040,-1315 760,-1305 905,-1295 1400,-1260 -1765,-1250 -1530,-1240 -1350,-1210 1190,-1200 -905,-1190 765,-1170 -745,-1155 -495,-1155 -315,-1155 -195,-1155 -50,-1155 100,-1155 200,-1155 300,-1155 395,-1150 500,-1150 600,-1150 1860,-1135 -1150,-1120 1045,-1115 885,-1110 -1010,-1085 1340,-1060 -835,-1055 1650,-1050 -650,-1030 -375,-1025 740,-1020 1180,-1005 -200,-995 -945,-950 90,-950 200,-950 -1130,-945 300,-945 -485,-935 1820,-930 880,-925 405,-920 1070,-920 1505,-920 -295,-915 -750,-910 -55,-905 1350,-880 505,-865 730,-830 1190,-810 1675,-810 1000,-805 -650,-785 600,-765 -495,-760 205,-760 305,-760 400,-760 95,-755 -335,-750 -750,-735 1880,-735 500,-730 -210,-715 -1015,-650 1155,-650 1005,-640 1500,-640 1730,-590 1320,-585 200,-560 495,-540 1930,-515 -610,-495 -310,-490 -105,-485 20,-485 330,-485 -770,-475 -445,-450 -945,-435 1175,-416.75 195,-415 -200,-405 800,-405 1440,-405 -1275,-380 1765,-380 405,-375 -1595,-370 605,-350 -1475,-325 1590,-305 1890,-285 -1020,-275 30,-260 -700,-240 -1350,-215 190,-195 1725,-190 -1500,-180 -490,-180 -1010,-155 1575,-150 -815,-120 -600,-115 1875,-105 440,-100 150.03,-87.46 -145,-85 -350,-70 -490,-50 1700,-25 -935,-5 315,20 -600,30 580,40 1845,65 -450,70 -700,75 -20,90 -825,110 -1145,120 1595,140 -315,155 -155,160 1745,210 785,225 -1020,250 -1195,255 -690,285 1465,290 1645,300 185,310 1800,330 -910,355 1970,360 -1105,380 -300,380 -810,430 370,440 -390,455 -1220,475 1860,475 -980,485 -290,500 -1120,550 -370,555 1980,570 -875,580 30,580 -490,600 -290,620 -1000,675 -30,680 -370,685 1825,685 -615,700 -1560,725 -860,745 35,780 1970,785 -1995,790 555,795 -1445,800 -720,800 -485,800 -370,805 -1916.08,845.25 -20,880 1030,880 1850,885 960,895 -2015,900 -625,915 -1910,920 820,925 -475,980 5,980 890,980 -305,990 800,1000 -1950,1005 1965,1010 545,1015 705,1030 -1730,1045 -485,1090 -835,1135 1320,1145 -1710,1170 1830,1180 -1900,1185 1570,1190 1403.26,1218.26 875,1290 1575,1295 -605,1300 1720,1315 -1755,1330 260,1345.75 1375,1350 -1115,1370 -970,1405 90,1405 -635,1425 325,1430 -1620,1470 -1280,1495 -1095,1505 -285,1515 1335,1525 -715,1530 -70,1550 50,1560 -465,1595 -620,1625 -1420,1635 -1115,1645 35,1650 1420,1650 1015,1655 -145,1695 -715,1720 -45,1765 -895,1825 865,1835 -625,1840 1190,1870 1025,1895 -1035,1920 235,1930 -335,1935
  other v2: -1482.28,-1482.28 1482.28,-1482.28 -1482.28,1482.28 1482.28,1482.28
"HSPICLK (SPI1_SCK)": ESP32.12 STM32.29 | length 1658.9
  Top Layer w10: v1(-241.52,-445) -242.6,-443.92 -242.6,-311.14 -148.11,-216.65 -148.11,-213.78 170,104.33 170,187.43 277.57,295 561.21,295 602.83,336.62 STM32.29@602.83,474.88
  Bottom Layer w10: v1(-241.52,-445) -200,-486.52 ESP32.12@-200,-650
"HSPICS0 (SPI1_NSS)": ESP32.35 STM32.28 | length 2701.6
  Top Layer w10: ESP32.35@-600,-1550 -550,-1500 -550,-630 -400,-480 -365,-480 -257.6,-372.6 -257.6,-304.93 -163.11,-210.44 -163.11,-207.56 155,110.54 155,193.64 271.36,310 555,310 583.15,338.15 STM32.28@583.15,474.88
"HSPID (SPI1_MOSI)": ESP32.15 STM32.31 | length 1869.8
  Top Layer w10: ESP32.15@-495.98,-645.98 -396.89,-546.89 -206.89,-546.89 -142.4,-482.4 -142.4,-317.44 -118.11,-293.14 -118.11,-226.2 200,91.9 200,175 290,265 573.64,265 642.2,333.57 STM32.31@642.2,474.88
"HSPIQ (SPI1_MISO)": ESP32.13 STM32.30 | length 1676.1
  Top Layer w10: v1(-245,-510) -240,-510 -157.4,-427.4 -157.4,-311.22 -133.11,-286.93 -133.11,-219.99 185,98.12 185,181.21 283.79,280 567.43,280 622.52,335.09 STM32.30@622.52,474.88
  Bottom Layer w10: ESP32.13@-300,-650 -300,-565 v1(-245,-510)
NetBATT_P: BATT.P D8.K FUSE.1 | length 382.6
  Top Layer w50: BATT.P@-1758.78,510.98 -1664.76,605 D8.K@-1544.65,605 -1545.39,604.25 FUSE.1@-1545.39,475.75
NetBOOT0_2: BOOT0.2 R3.1 | length 793.4
  Top Layer w10: BOOT0.2@950,-180 1120,-10 1186.21,-10 1295.75,99.53 v1(1295.75,220) ; R3.1@1095,245.63 1133.62,245.63 v1(1159.25,220)
  Bottom Layer w10: v1(1159.25,220) v1(1295.75,220)
NetC1_2: C1.2 PRST.1 R2.1 | length 569.1
  Top Layer w20: PRST.1@1390,-180 1335,-125 1335,170 1385,220 C1.2@1425.63,220 R2.1@1425.63,135
NetC2_2: C2.2 STM32.48 | length 169.3
  Top Layer w10: v1(976.04,406.04) 976.04,474.07 STM32.48@976.85,474.88
  Bottom Layer w10: C2.2@930,325 930,360 v1(976.04,406.04)
NetC3_2: C3.2 STM32.73 | length 147
  Top Layer w10: STM32.73@1085.12,976.85 1085.93,977.66 1124.76,977.66 1125.12,977.29 1145.94,977.29 v1(1150.05,973.18)
  Bottom Layer w10: v1(1150.05,973.18) 1167.64,955.59 1195.94,955.59 1210.63,940.91 C3.2@1210.63,935
NetC24_2: C24.2 GD.6 GD.7 R10.1 | length 606.3
  Top Layer w20: C24.2@-1711.26,-410 -1711.26,-475.65 -1628.78,-558.13 -1628.78,-659.96 GD.6@-1573.74,-715 GD.7@-1573.74,-815 ; C24.2@-1710,-408.74 R10.1@-1710,-264.37
NetD7_A: D7.A FUSE.2 | length 130.3
  Top Layer w50: D7.A@-1371.26,325 -1371.26,417.6 FUSE.2@-1344.61,444.25
NetD9_A: D9.A R6.1 | length 83.7
  Top Layer w20: D9.A@-1488.66,120 R6.1@-1405,120
NetD10_A: D10.A R7.1 | length 79.3
  Top Layer w20: D10.A@-1504.29,-450 R7.1@-1425,-450
NetD11_A: D11.A R8.1 | length 85.8
  Top Layer w20: D11.A@-1190,-576.34 -1188.03,-574.37 R8.1@-1105,-574.37
NetDIS_2: DIS.2 LC.9 | length 1071.2
  Bottom Layer w10: LC.9@-860,1420 -760,1420 -355,1825 -105,1825 DIS.2@0,1930
NetDIS_3: DIS.3 LC.10 | length 929.8
  Bottom Layer w10: LC.10@-860,1520 -790,1520 -470,1840 -190,1840 DIS.3@-100,1930
NetESC1_3: ESC1.3 STM32.39 | length 2953.6
  Top Layer w10: STM32.39@799.68,474.88 799.68,568.9 815,584.22 v1(815,590)
  Bottom Layer w10: v1(815,590) 860,635 1128.64,635 1413.64,350 1710,350 1765,405 1765,1170 1705,1230 1560,1230 1141.65,1648.35 ESC1.3@1141.65,1784.49
NetESC2_3: ESC2.3 STM32.41 | length 2838.1
  Top Layer w10: STM32.41@839.06,474.88 839.87,475.69 839.87,559.87 v1(875,595) ; v1(1240,-5) 1240,-1613.86 ESC2.3@1273.07,-1646.93
  Bottom Layer w10: v1(875,595) 900,620 1122.43,620 1380,362.43 1380,135 v1(1240,-5)
NetESC3_3: ESC3.3 STM32.43 | length 4432.4
  Top Layer w10: v1(-50,-225) -50,-220 115,-55 680,-55 v1(730,-5) ; STM32.43@878.43,474.88 878.43,541.91 925.77,589.25 v1(925.87,589.25)
  Bottom Layer w10: ESC3.3@-1135.51,-1778.35 -1135.51,-1700.51 -150,-715 -150,-594.7 -50,-494.7 v1(-50,-225) ; v1(730,-5) 1176.21,-5 1365,183.79 1365,356.21 1131.87,589.35 v1@925.87,589.35